# KiCad board SparkPNT_GPSDO.kicad_pcb (continued)
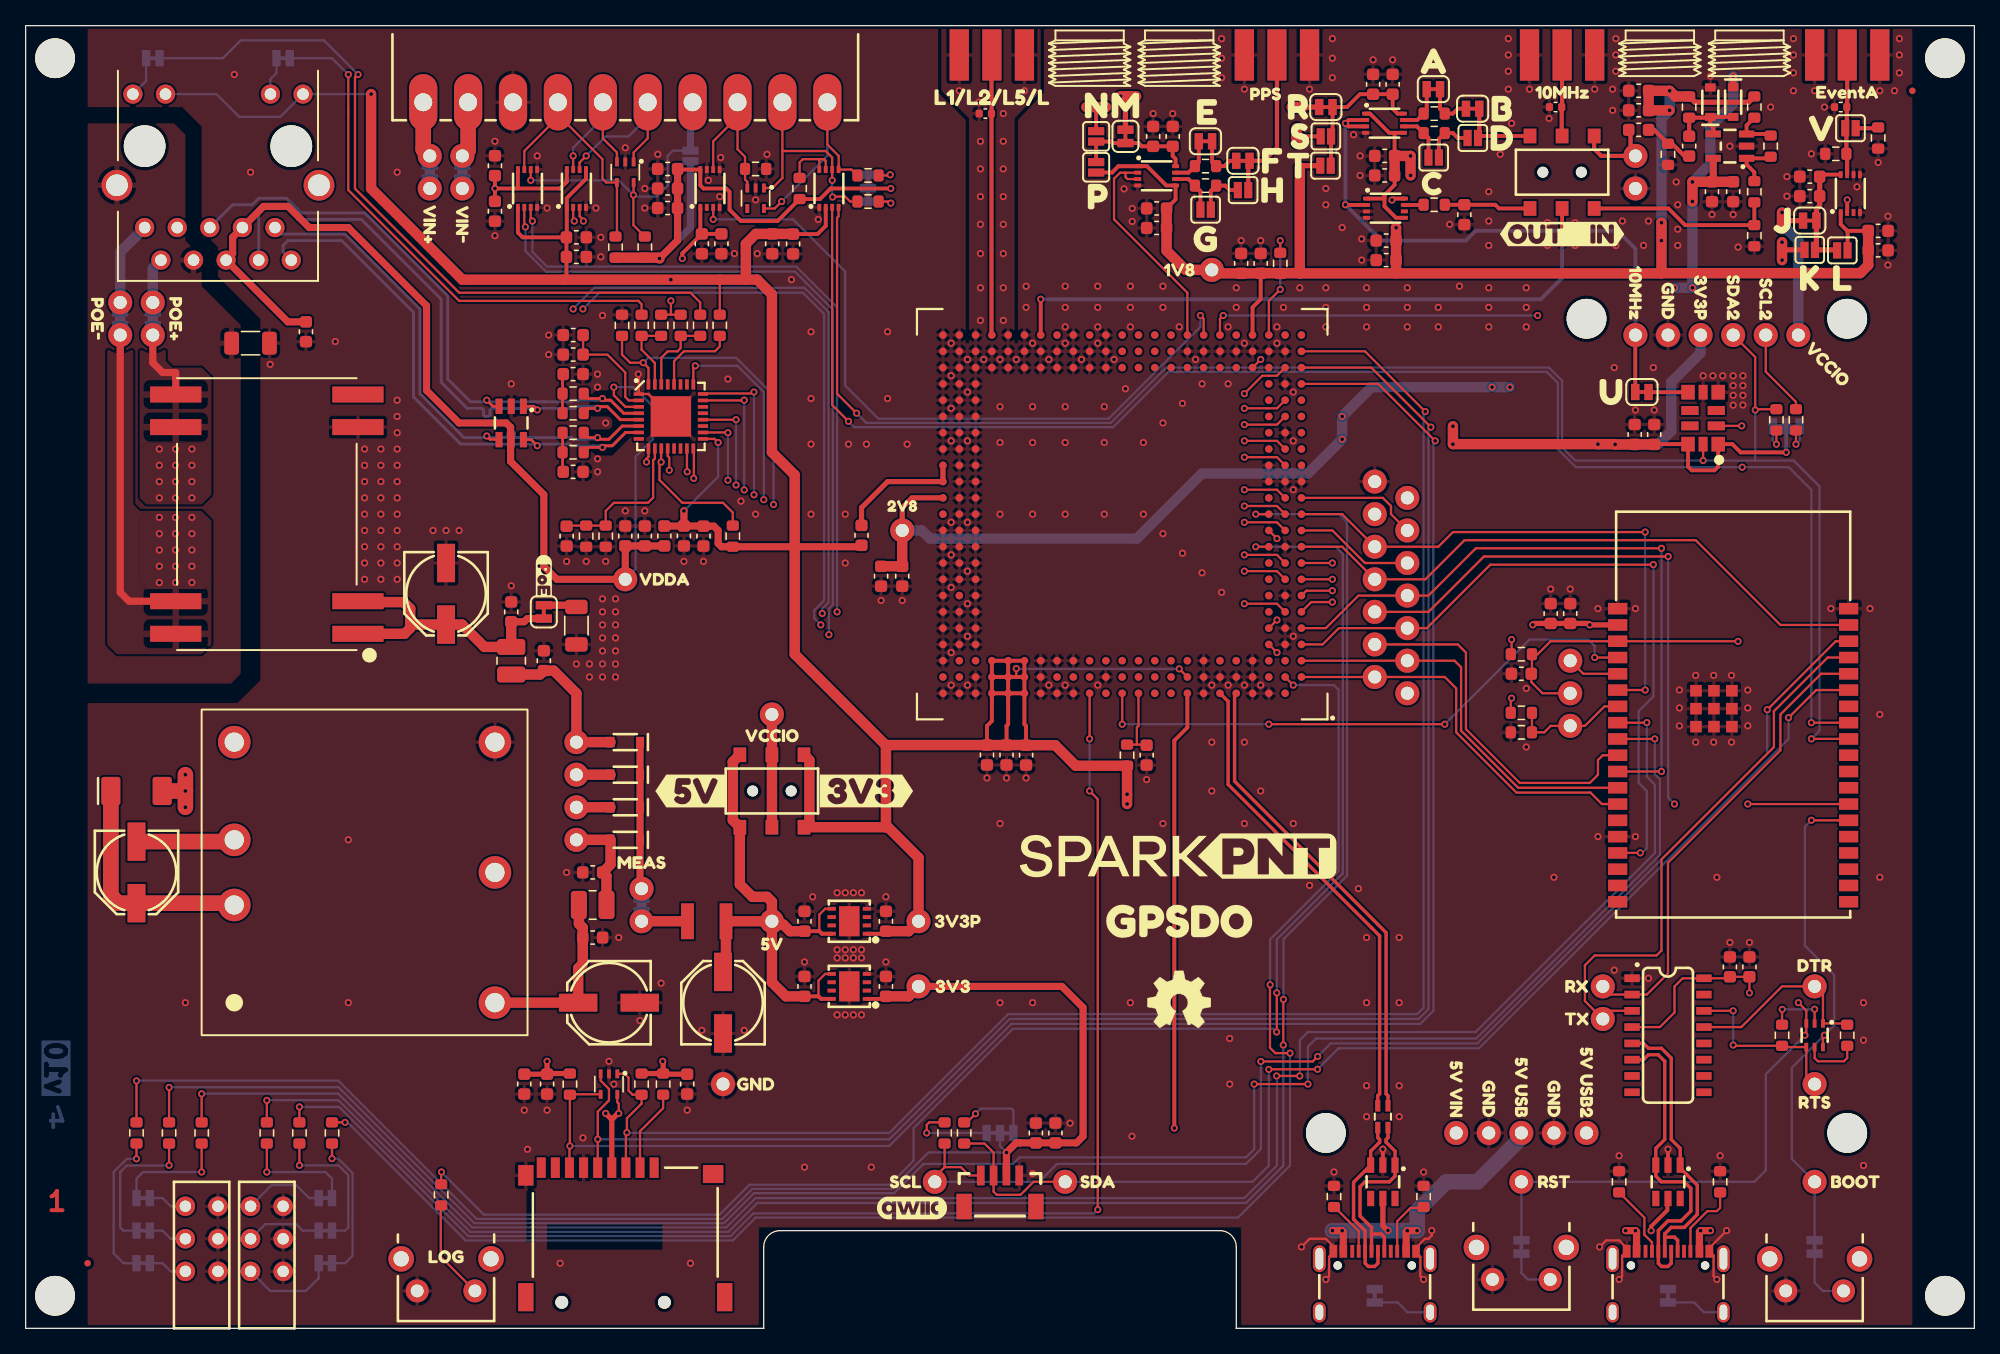
[diagram p0: board, top side]
## Routing (per net, layer and track width the routed paths; a pad name or vN(x,y) marks a point on that pad's centre or on a via; arc(x,y) is an arc through that point) (continued)
Net-(U.1-A): length 3.1
  Top w0.305: U.1.1 126.52,73.01 U13.6 129.57,73.02
Net-(V.1-A): length 1.8
  Top w0.33: R47.2 144.34,93.6 V.1.1

## Copper pours and planes (outline as drawn; the poured copper is in the pictures)
GND on Top, Bottom, In1.Cu, In2.Cu: 94.75,0.25 94.75,7.87 57.15,7.87 57.15,0.25 4.83,0.25 4.83,48.77 16.51,48.77 18.29,50.55 18.29,78.74 14.99,82.04 14.99,84.33 13.72,85.6 13.72,93.73 12.2,95.25 4.83,95.25 4.83,101.35 147.07,101.35 147.07,0.25
GND-ISO on Top, Bottom, In1.Cu, In2.Cu: 4.83,93.98 11.56,93.98 12.45,93.09 12.45,84.84 13.72,83.57 13.72,81.28 16.77,78.23 16.77,51.05 16.01,50.29 4.83,50.29
VIN+ on Top: 8.89,77.72 10.93,77.72 10.93,75.44 11.43,74.93 13.72,74.93 14.48,74.17 14.48,65.02 13.72,64.26 9.4,64.26 8.89,64.77
VIN+ on Top, Bottom, In1.Cu, In2.Cu: 8.89,64.77 8.89,68.58 9.4,69.09 13.97,69.09 14.48,68.58 14.48,65.02 13.72,64.26 9.4,64.26
VIN- on Top: 8.39,77.47 8.39,64.26 8.89,63.75 13.72,63.75 14.48,62.99 14.48,53.34 13.72,52.58 7.12,52.58 6.35,53.34 6.35,77.47
VIN- on Top, Bottom, In1.Cu, In2.Cu: 13.72,63.75 14.48,62.99 14.48,58.17 13.97,57.66 9.4,57.66 8.89,58.17 8.89,63.25 9.4,63.75

## Text on the board
Bottom: 4 | v10
User.Drawings: V-Score To V-Score
Top: 1
F.Fab: P.C. | Controlled Impedance: JLC7628 | Solder Mask: Red | Silkscreen: White | Layers: 4 | Finish: ENIG | Thickness: 1.6mm | No Clean Process | Material: TG155 | Copper Weight: 1oz
In1.Cu: 2
In2.Cu: 3
